# Altium PCB SupBigBrrg_0.PcbDoc (part 29 of 29)
Units mm, origin at the board's own origin, x right, y up, seen from the top; angles counter-clockwise.
Board outline 400 x 344 mm, 6 copper layers (TopLayer, PlaneGnd, PlanePwr, MidLayer3, MidLayer4, BottomLayer); 1288 components, 1323 nets, 5024 pads, 1078 vias.
Unrouted connection lines stored in the file: 1824.
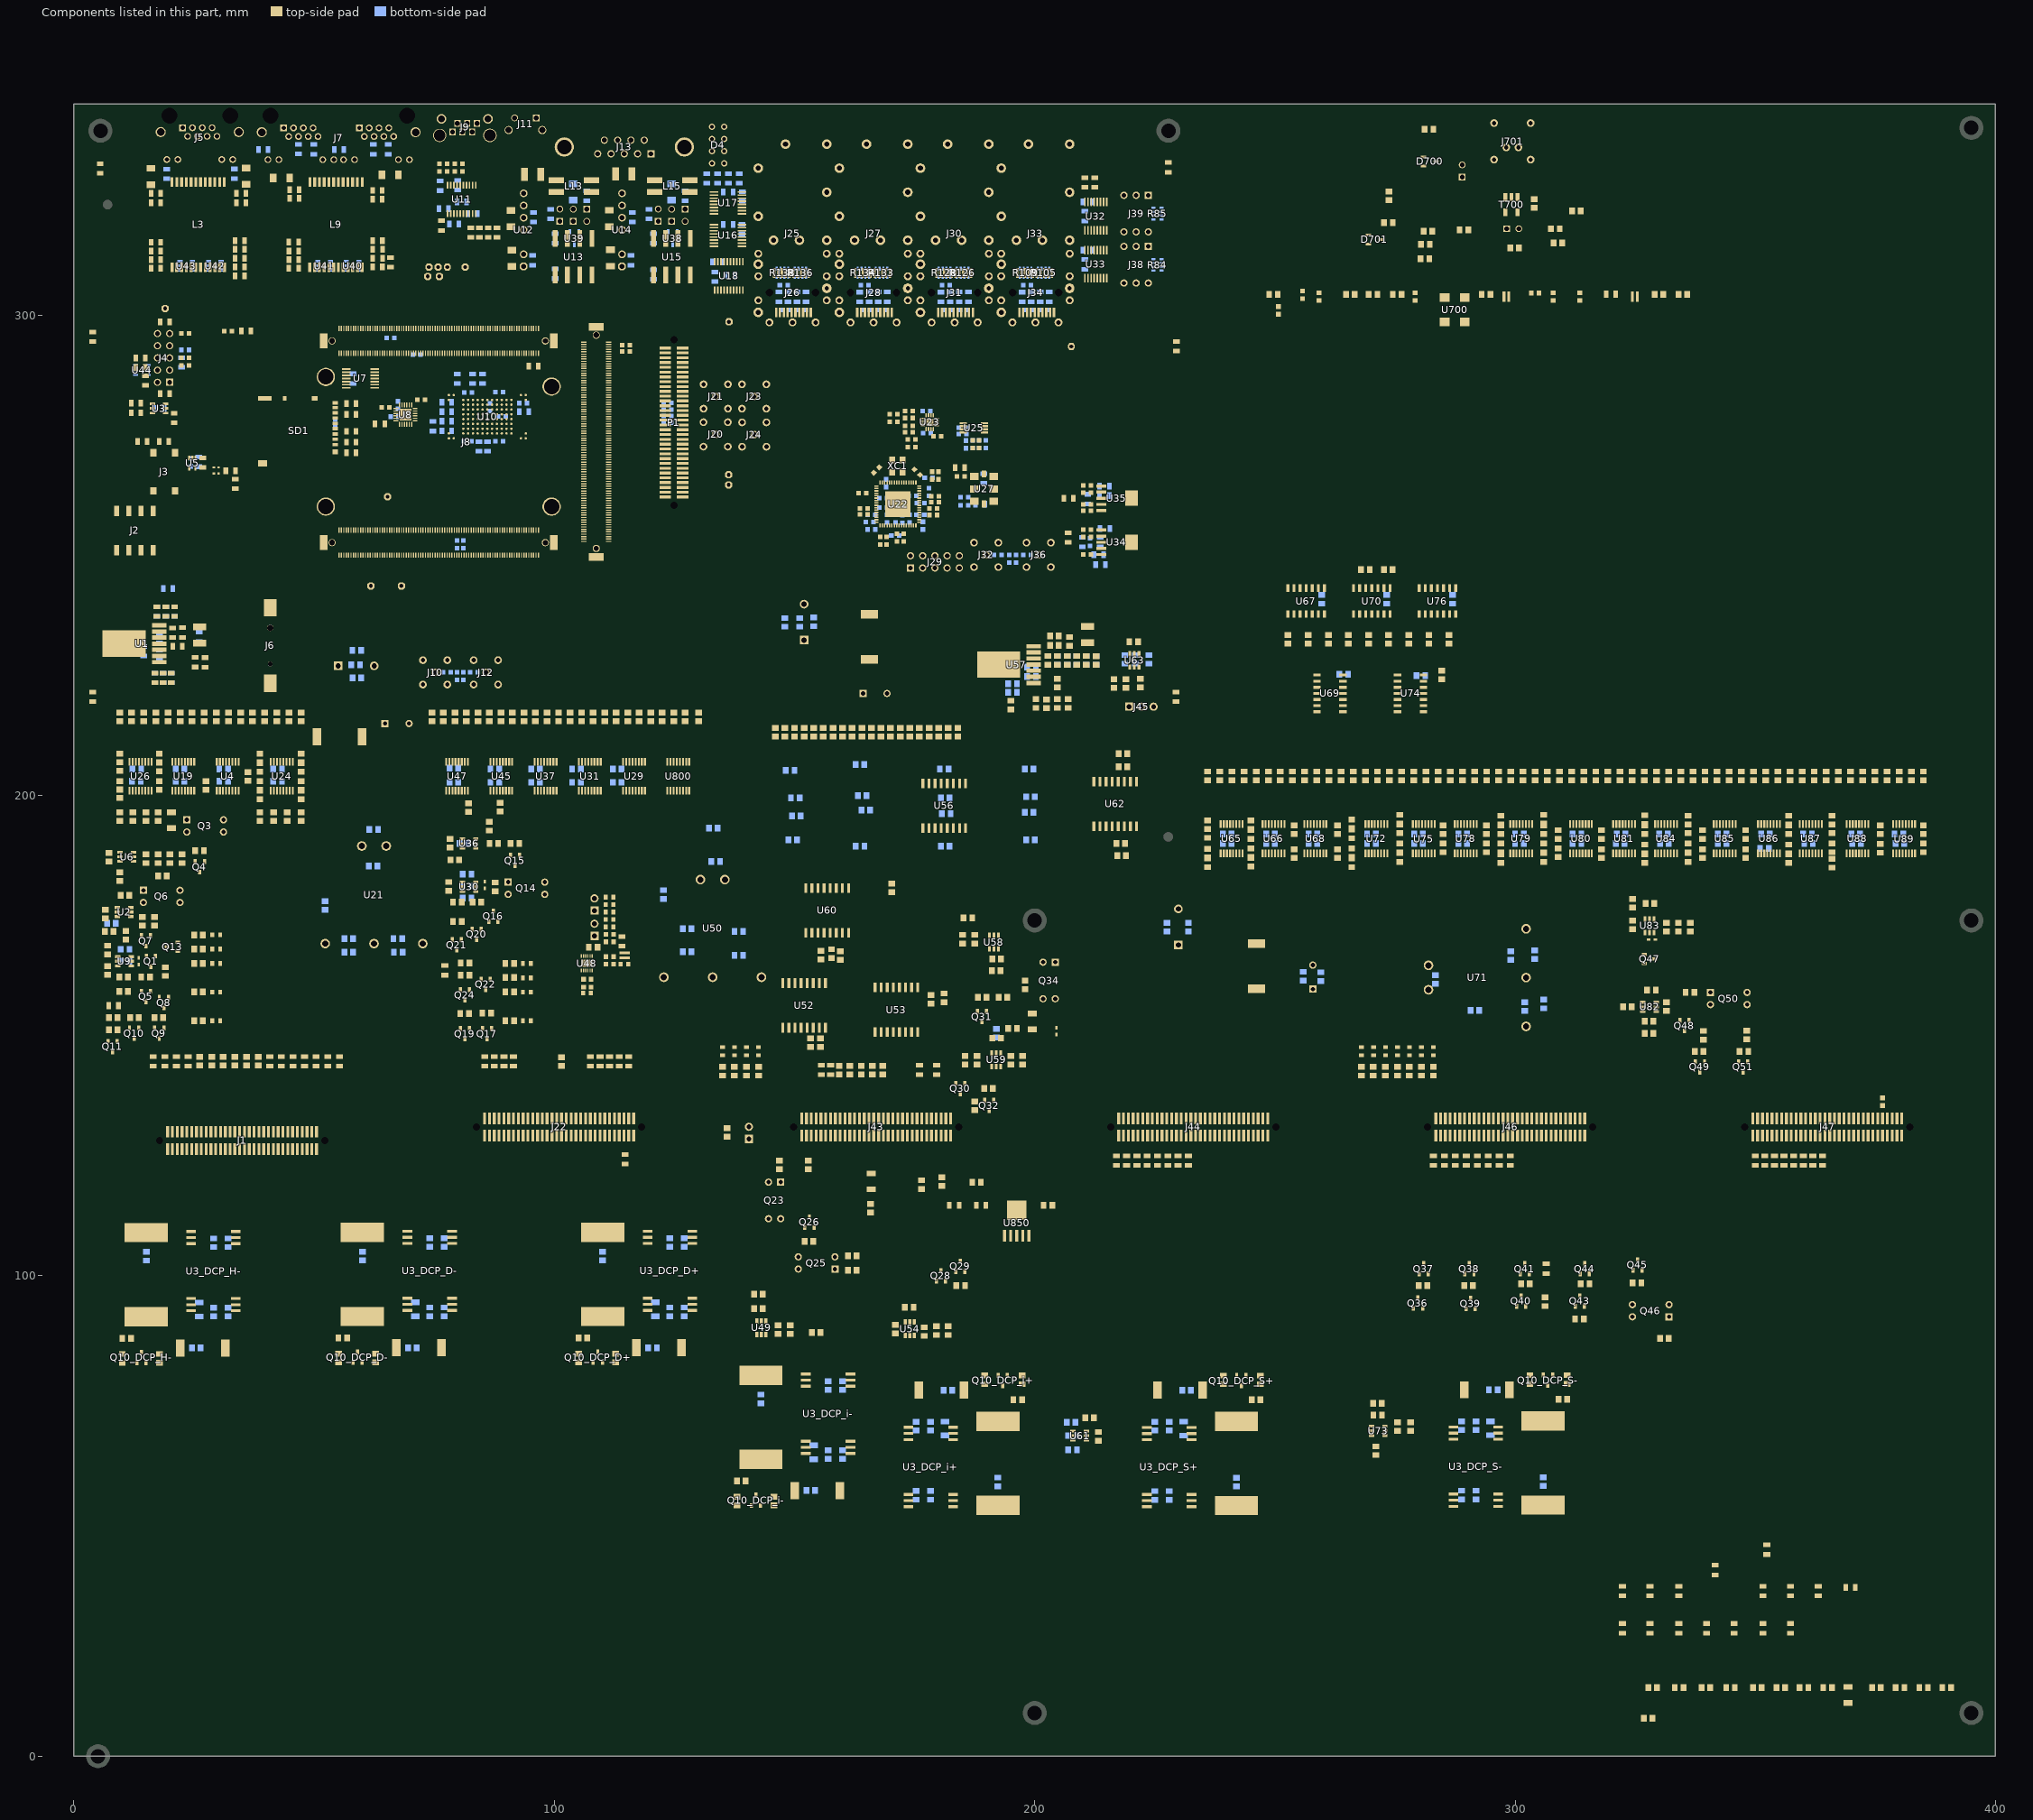
[diagram p33: the components of this part, seen from the top]

## Via types
v1: diameter 0.5, hole 0.2, TopLayer to BottomLayer, tented both sides, 972 vias
v2: diameter 1, hole 0.5, TopLayer to BottomLayer, 104 vias
v3: diameter 0.5, hole 0.2, TopLayer to BottomLayer, 2 vias

## Nets (pads, with @x,y where several pads share a name; then routed paths per layer and width w, separated by ;. In a path a pad name is that pad's centre, name@x,y a point inside that pad or via, vN(x,y) a via of type N, cw(c..) or ccw(c..) an arc to the next point about the centre after c; other vN are vias at no path point) (continued)
pads on no net: J1.65 J1.66 J2.6 J4.7 J4.8 J5.MH1 J5.MH2 J6.0 J7.11A J7.11B J7.12A J7.12B J7.MH1 J7.MH2 J8.0 J8.A102 J8.A114 J8.A115 J8.A116 J8.A118 J8.A122 J8.A127 J8.A128 J8.A129 J8.A131 J8.A133 J8.B8 J8.B167 J8.B168 J8.C8 J13.6 J13.9 J22.65 J22.66 J26.MTG1 J26.MTG2 J28.MTG1 J28.MTG2 J31.MTG1 J31.MTG2 J34.MTG1 J34.MTG2 J43.1 J43.5 J43.9 J43.13 J43.17 J43.21 J43.25 J43.29 J43.33 J43.37 J43.41 J43.45 J43.49 J43.53 J43.57 J43.61 J43.65 J43.66 J44.34 J44.65 J44.66 J46.65 J46.66 J47.65 J47.66 L39.2 L40.2 L85.2 L88.2 L91.2 L92.2 L97.1 L100.1 L101.1 L103.1 L105.2 L107.1 P1.65 P1.66 R182.1 R201.1 R204.2 R206.2 R208.1 R210.2 R244.1 R284.2 R287.2 R290.2 R294.2 R299.2 R407.1 R800.2 R801.1 R802.2 R803.2 R804.1 R805.2 R806.2 R807.1 R808.2 T700.2 U2.3 U3_DCP_D+.14 U3_DCP_D+.15 U3_DCP_D+.16 U3_DCP_D+.17 U3_DCP_D+.26 U3_DCP_D+.27 U3_DCP_D-.14 U3_DCP_D-.15 U3_DCP_D-.16 U3_DCP_D-.17 U3_DCP_D-.26 U3_DCP_D-.27 U3_DCP_H-.14 U3_DCP_H-.15 U3_DCP_H-.16 U3_DCP_H-.17 U3_DCP_H-.26 U3_DCP_H-.27 U3_DCP_i+.14 U3_DCP_i+.15 U3_DCP_i+.16 U3_DCP_i+.17 U3_DCP_i+.26 U3_DCP_i+.27 U3_DCP_i-.14 U3_DCP_i-.15 U3_DCP_i-.16 U3_DCP_i-.17 U3_DCP_i-.26 U3_DCP_i-.27 U3_DCP_S+.14 U3_DCP_S+.15 U3_DCP_S+.16 U3_DCP_S+.17 U3_DCP_S+.26 U3_DCP_S+.27 U3_DCP_S-.14 U3_DCP_S-.15 U3_DCP_S-.16 U3_DCP_S-.17 U3_DCP_S-.26 U3_DCP_S-.27 U5.3 U6.3 U7.8 U7.10 U7.12 U11.11 U11.14 U12.5 U12.7 U14.5 U14.7 U22.5 U23.3 U23.4 U23.5 U23.6 U23.15 U27.1 U27.5 U36.3 U40.5 U41.5 U42.5 U43.5 U49.3 U54.3 U58.3 U61.3 U67.4 U67.5 U67.6 U67.10 U67.11 U67.12 U67.13 U73.3 U76.3 U76.4 U82.3 U700.4
copper on no net:
  other v2: 5,0 65,0 71,0 131,0 137,0 197,0 203,0 263,0 269,0 329,0 335,0 395,0 65,140 131,140 137,140 263,140 269,140 329,140 335,140 395,140

## Polygon pours and split planes (outlines as drawn)
GND on MidLayer3 "GND_MID3" (solid, remove dead copper, pour order 54): 230.225,340.575 9.725,340.575 9.725,331.05 3.125,331.05 3.125,182.725 230.225,182.725
GND on MidLayer4 "GND_MID4" (solid, remove dead copper, pour order 56): 230.225,340.575 9.725,340.575 9.725,331.05 3.125,331.05 3.125,182.725 230.225,182.725
no net on TopLayer "NONET_L01_P062" (solid, remove dead copper, pour order 62): 88,81.2
no net on TopLayer "NONET_L01_P060" (solid, remove dead copper, pour order 60): 88,81.2 89,82.2 115,82.2 115,50.2 88,50.2
GND on TopLayer "GND_TOP" (solid, remove dead copper, pour order 58): 230.225,340.575 9.725,340.575 9.725,331.05 3.125,331.05 3.125,182.7 230.225,182.7
+3.3VD on TopLayer "LMZ_3VD3_TOP" (solid, pour order 48): 23.8,227.75 28.3,227.75 28.3,232.875 23.8,232.875
VD_TMP on TopLayer "VD_TMP" (solid, pour order 30): 15.66,233.86 15.66,238.335 17.293,238.335 28.275,238.335 28.275,233.375 23.8,233.375 23.8,233.86
MGND on TopLayer "TOP_SLD_RIGHT" (solid, remove dead copper, pour order 44): 232.6,341.675 223.35,341.675 223.35,331.05 232.6,331.05
MGND on TopLayer "TOP_SLD_LEFT" (solid, remove dead copper, pour order 38): 0.75,341.675 9.725,341.675 9.725,331.05 0.75,331.05
GND on BottomLayer "GND_BOT" (solid, remove dead copper, pour order 52): 230.225,340.575 9.725,340.575 9.725,331.05 3.125,331.05 3.125,182.725 230.225,182.725
VD_TMP on BottomLayer "VD_TMP_BOT" (solid, pour order 46): 15.675,238.325 27.6,238.325 27.6,233.25 24.425,233.25 24.425,235.4 15.675,235.4
+3.3VD on BottomLayer "LMZ_3VD3_BOT" (solid, pour order 50): 23.8,229.25 28.3,229.25 28.3,232.725 23.8,232.725
MGND on BottomLayer "BOT_SLD_RIGHT" (solid, remove dead copper, pour order 42): 232.575,341.675 222.9,341.675 222.9,331.25 232.575,331.25
MGND on BottomLayer "BOT_SLD_LEFT" (solid, remove dead copper, pour order 40): 0.775,341.675 9.7,341.675 9.7,331.05 0.775,331.05
GND on PlaneGnd (split plane): 399.49,0.51 0.51,0.51 0.51,221.4 2.25,221.4 2.25,330.923 14.198,330.923 14.198,325.3 14.205,325.248 14.225,325.199 14.257,325.157 14.299,325.125 14.348,325.105 14.4,325.098 73.6,325.098 73.652,325.105 73.701,325.125 73.743,325.157 73.775,325.199 73.795,325.248 73.802,325.3 73.802,334.548 88.698,334.548 88.698,331.65 88.698,315.05 88.698,314.275 88.705,314.223 88.725,314.174 88.757,314.132 88.799,314.1 88.848,314.08 88.9,314.073 98.9,314.073 98.9,311.75 108.925,311.75 108.925,314.073 119.375,314.073 119.375,311.75 129.4,311.75 129.4,314.073 130.15,314.073 130.202,314.08 130.251,314.1 130.293,314.132 130.325,314.174 130.345,314.223 130.352,314.275 130.352,331.448 131.175,331.448 131.227,331.455 131.276,331.475 131.318,331.507 131.35,331.549 131.37,331.598 131.377,331.65 131.377,340.373 219.748,340.373 219.748,331.05 219.755,330.998 219.775,330.949 219.807,330.907 219.849,330.875 219.898,330.855 219.95,330.848 231.1,330.848 231.1,221.4 233.6,221.4 233.6,330.848 233.652,330.855 233.701,330.875 233.743,330.907 233.775,330.949 233.795,330.998 233.802,331.05 233.802,333.5 233.795,333.552 233.775,333.601 233.743,333.643 233.701,333.675 233.652,333.695 233.6,333.702 233.548,333.695 233.499,333.675 233.457,333.643 233.425,333.601 233.405,333.552 233.398,333.5 233.398,331.252 220.152,331.252 220.152,340.575 220.145,340.627 220.125,340.676 220.093,340.718 220.051,340.75 220.002,340.77 219.95,340.777 131.175,340.777 131.123,340.77 131.074,340.75 131.032,340.718 131,340.676 130.98,340.627 130.973,340.575 130.973,331.852 130.246,331.852 130.202,331.87 130.15,331.877 130.098,331.87 130.054,331.852 121.4,331.852 121.4,337.5 110.475,337.5 110.475,331.852 89.102,331.852 89.102,334.75 89.095,334.802 89.075,334.851 89.043,334.893 89.001,334.925 88.952,334.945 88.9,334.952 73.6,334.952 73.548,334.945 73.499,334.925 73.457,334.893 73.425,334.851 73.405,334.802 73.398,334.75 73.398,325.502 14.602,325.502 14.602,331.125 14.595,331.177 14.575,331.226 14.543,331.268 14.501,331.3 14.452,331.32 14.4,331.327 0.51,331.327 0.51,343.49 399.49,343.49
GND on PlaneGnd (split plane): 109.348,314.477 108.925,314.477 108.925,315 98.9,315 98.9,314.477 89.102,314.477 89.102,327.2 109.348,327.2
GND on PlaneGnd (split plane): 173.946,268.971 173.946,266.179 173.771,266.004 171.154,266.004 168.855,268.304 168.855,271.521 171.396,271.521
GND on PlaneGnd (split plane): 129.948,314.477 129.4,314.477 129.4,315 119.375,315 119.375,314.477 109.752,314.477 109.752,327.2 129.948,327.2
GND on PlaneGnd (split plane): 178.921,276.929 177.355,276.929 177.355,278.496 178.921,278.496
no net on PlanePwr (split plane): 21.698,224.352 4.05,224.352 3.998,224.345 3.949,224.325 3.907,224.293 3.875,224.251 3.855,224.202 3.848,224.15 3.848,201.9 3.848,194.252 0.51,194.252 0.51,221.4 2.25,221.4 2.25,227.573 21.698,227.573
no net on PlanePwr (split plane): 505 vertices, not listed, extent 0.51,0.51 399.49,343.49
no net on PlanePwr (split plane): 9.75,342.25 0.51,342.25 0.51,343.49 9.75,343.49
no net on PlanePwr (split plane): 259 vertices, not listed, extent 51.802,249.327 111.348,297.098
no net on PlanePwr (split plane): 462 vertices, not listed, extent 45.902,242.227 177.398,299.423
no net on PlanePwr (split plane): 85.323,247.552 71.95,247.552 71.898,247.545 71.849,247.525 71.807,247.493 71.775,247.451 71.755,247.402 71.748,247.35 71.748,242.202 63.877,242.202 63.877,251.348 66.248,251.348 66.248,250.85 66.255,250.798 66.275,250.749 66.307,250.707 66.349,250.675 66.398,250.655 66.45,250.648 68.875,250.648 68.927,250.655 68.976,250.675 69.018,250.707 69.05,250.749 69.07,250.798 69.077,250.85 69.077,251.348 71.223,251.348 71.223,250.85 71.23,250.798 71.25,250.749 71.282,250.707 71.324,250.675 71.373,250.655 71.425,250.648 73.973,250.648 73.973,250.1 73.98,250.048 74,249.999 74.032,249.957 74.074,249.925 74.123,249.905 74.175,249.898 76.675,249.898 76.727,249.905 76.776,249.925 76.818,249.957 76.85,249.999 76.87,250.048 76.877,250.1 76.877,251.523 79.373,251.523 79.373,248.4 79.38,248.348 79.4,248.299 79.432,248.257 79.474,248.225 79.523,248.205 79.575,248.198 82.6,248.198 82.652,248.205 82.701,248.225 82.743,248.257 82.775,248.299 82.795,248.348 82.802,248.4 82.802,251.673 85.323,251.673
no net on PlanePwr (split plane): 178.523,256.525 178.53,256.473 178.55,256.424 178.582,256.382 178.624,256.35 178.673,256.33 178.725,256.323 211.398,256.323 211.398,254.725 211.398,252.927 208.802,252.927 208.802,253.95 208.795,254.002 208.775,254.051 208.743,254.093 208.701,254.125 208.652,254.145 208.6,254.152 180.3,254.152 180.248,254.145 180.199,254.125 180.157,254.093 180.125,254.051 180.105,254.002 180.098,253.95 180.098,252.352 162.302,252.352 162.302,260.223 166.923,260.223 166.923,256.302 166.4,256.302 166.348,256.295 166.299,256.275 166.257,256.243 166.225,256.201 166.205,256.152 166.198,256.1 166.198,254.6 166.205,254.548 166.225,254.499 166.257,254.457 166.299,254.425 166.348,254.405 166.4,254.398 169.05,254.398 169.102,254.405 169.151,254.425 169.193,254.457 169.225,254.499 169.245,254.548 169.252,254.6 169.252,255.548 173.6,255.548 173.652,255.555 173.701,255.575 173.743,255.607 173.775,255.649 173.795,255.698 173.802,255.75 173.802,257.523 175.298,257.523 175.298,255.8 175.305,255.748 175.325,255.699 175.357,255.657 175.399,255.625 175.448,255.605 175.5,255.598 177.6,255.598 177.652,255.605 177.701,255.625 177.743,255.657 177.775,255.699 177.795,255.748 177.802,255.8 177.802,258.1 177.795,258.152 177.775,258.201 177.743,258.243 177.701,258.275 177.652,258.295 177.6,258.302 177.51,258.302 177.51,261.675 177.504,261.727 177.483,261.776 177.451,261.818 177.41,261.85 177.361,261.87 177.309,261.877 173.852,261.877 173.852,262.925 173.852,264.023 178.523,264.023
no net on PlanePwr (split plane): 109.298,315.277 89.102,315.277 89.102,327.198 109.298,327.198
no net on PlanePwr (split plane): 180.623,259.625 180.63,259.573 180.65,259.524 180.682,259.482 180.724,259.45 180.773,259.43 180.825,259.423 201.125,259.423 201.177,259.43 201.226,259.45 201.268,259.482 201.3,259.524 201.32,259.573 201.327,259.625 201.327,263.598 206.898,263.598 206.898,256.727 178.927,256.727 178.927,264.225 178.92,264.277 178.9,264.326 178.868,264.368 178.826,264.4 178.777,264.42 178.725,264.427 173.65,264.427 173.598,264.42 173.549,264.4 173.507,264.368 173.475,264.326 173.455,264.277 173.448,264.225 173.448,263.127 167.277,263.127 167.277,265.898 180.623,265.898
no net on PlanePwr (split plane): 129.973,315.277 109.702,315.277 109.702,327.198 129.973,327.198

## Other copper
TopLayer:
  region net ChasisGND_T: 232.6,222.25 231.1,222.25 231.1,183.95 232.6,183.95
  region net StripGND_T: 232.6,297.25 231.1,297.25 231.1,242.25 232.6,242.25
  region net MGND: 232.6,333.95 231.1,333.95 231.1,302.25 232.6,302.25
  rectangle net MGND: 0.75,302.25 2.25,332.375
  rectangle net StripGND: 0.75,242.25 2.25,297.25
  rectangle net ChasisGND: 0.75,183.95 2.25,222.25
  region net +5VME: 20.635,226.46 20.635,226.96 16.21,226.96 16.21,226.46
  pour cut-out: 46.756,313.682 62.151,313.685 62.151,311.939 62.205,311.885 62.205,311.178 46.751,311.178
  pour cut-out: 18.061,313.682 33.456,313.685 33.456,311.939 33.51,311.885 33.51,311.178 18.056,311.178
  pour cut-out: 167.51,256.66 167.51,264.71 175.56,264.71 175.56,256.66
  pour cut-out: 15.52,310.485 18.59,310.485 18.59,308.735 15.52,308.735
  pour cut-out: 32.97,310.71 36.04,310.71 36.04,308.31 32.97,308.31
  pour cut-out: 44.24,312.285 47.31,312.285 47.31,309.9 44.24,309.9
  pour cut-out: 61.735,312.61 65.76,312.61 65.76,310.21 61.735,310.21
  pour cut-out: 77.61,327.785 83.81,327.785 83.81,320.435 77.61,320.435
  pour cut-out: 3.125,330.625 3.125,331.05 14.426,331.05 14.426,330.625
  pour cut-out: 219.851,330.625 219.851,331.05 231.101,331.05 231.101,330.625
  pour cut-out: 95.06,284.385 92.399,284.385 92.399,283.375 92.438,283.375 92.438,283.036 93.699,281.775 95.06,281.775
  pour cut-out: 95.06,273.365 92.399,273.365 92.399,274.375 92.438,274.375 92.438,274.714 93.699,275.975 95.06,275.975
  pour cut-out: 77.04,284.385 79.701,284.385 79.701,283.375 79.662,283.375 79.662,283.036 78.401,281.775 77.04,281.775
  pour cut-out: 77.04,273.365 79.701,273.365 79.701,274.375 79.662,274.375 79.662,274.714 78.401,275.975 77.04,275.975
  pour cut-out: 80.051,283.393 80.051,274.365 92.06,274.365 92.06,283.383
  pour cut-out: 54.801,282.425 55.676,282.425 55.876,282.625 56.301,282.625 56.301,270.675 54.801,270.675
  pour cut-out: 87.219,249.724
  pour cut-out: 203.013,299.525 204.263,299.525 204.263,293.949 192.514,282.2 164.751,282.2 162.625,280.074 162.625,264.525 129.35,231.25 86.23,231.25 80.3,237.18 80.3,249.724 94.138,249.724 94.138,248.589 94.726,248 121.678,248 145.875,272.197 145.875,299.647 146.015,299.787 153.638,299.787 153.638,296.2 150.775,293.337 150.775,286.8 158.725,294.75 161.999,294.75 162.788,295.539 162.788,300 170.538,300 170.538,293.511 167.813,290.786 176.074,290.786 179.638,294.35 179.638,299.8 187.388,299.8 187.388,293.474 181.514,287.6 181.514,286.85 188.8,286.85 196.538,294.587 196.538,299.538
  pour cut-out: 129.501,315.075 129.501,311.4 119.8,311.4 119.8,315.075
  pour cut-out: 108.75,315.075 108.75,311.4 99.325,311.4 99.325,315.075
  pour cut-out: 9.726,330.625 14.4,330.625 14.4,316.2 73.625,316.2 73.625,334.725 88.95,334.725 88.95,315.075 130.276,315.075 130.276,331.675 131.175,331.675 131.175,340.575 219.85,340.575 219.85,330.625 223.35,330.625 223.35,344.25 9.7,344.25
  pour cut-out: 3.125,331.05 -0.25,331.05 -0.25,181.75 3.125,181.75
  pour cut-out: 230.225,331.05 233.6,331.05 233.6,181.75 230.225,181.75
  pour cut-out: -0.25,331.175
MidLayer3:
  pour cut-out: 18.556,316.578 33.056,316.578 33.056,312.978 18.556,312.978
  pour cut-out: 47.251,316.578 61.751,316.578 61.751,312.978 47.251,312.978
  pour cut-out: 129.225,315.075 129.225,311.4 119.8,311.4 119.8,315.075
  pour cut-out: 108.75,315.075 108.75,311.4 99.325,311.4 99.325,315.075
  pour cut-out: 9.725,331.05 14.4,331.05 14.4,316.2 73.625,316.2 73.625,334.725 88.95,334.725 88.95,315.075 130.025,315.075 130.025,331.675 131.175,331.675 131.175,340.575 219.85,340.575 219.85,331.225 233.6,331.225 233.6,344.25 9.7,344.25
  pour cut-out: 168.6,271.775 171.5,271.775 174.2,269.075 174.2,265.75 170.9,265.75 168.6,268.05
MidLayer4:
  pour cut-out: 47.251,316.578 61.751,316.578 61.751,312.978 47.251,312.978
  pour cut-out: 18.556,316.578 33.056,316.578 33.056,312.978 18.556,312.978
  pour cut-out: 129.225,315.075 129.225,311.4 119.8,311.4 119.8,315.075
  pour cut-out: 108.75,315.075 108.75,311.4 99.325,311.4 99.325,315.075
  pour cut-out: 9.725,331.05 14.4,331.05 14.4,316.2 73.625,316.2 73.625,334.725 88.95,334.725 88.95,315.075 130.025,315.075 130.025,331.675 131.175,331.675 131.175,340.575 219.85,340.575 219.85,331.225 233.6,331.225 233.6,344.25 9.7,344.25
  pour cut-out: 168.6,271.775 171.5,271.775 174.2,269.075 174.2,265.75 170.9,265.75 168.6,268.05
BottomLayer:
  region net MGND: 232.6,334.1 231.1,334.1 231.1,302.25 232.6,302.25
  region net StripGND_T: 232.6,297.25 231.1,297.25 231.1,242.25 232.6,242.25
  region net ChasisGND_T: 232.6,222.25 231.1,222.25 231.1,183.95 232.6,183.95
  rectangle net ChasisGND: 0.75,183.95 2.25,222.25
  rectangle net StripGND: 0.75,242.25 2.25,297.25
  rectangle net MGND: 0.75,302.25 2.25,332.45
  pour cut-out: 47.251,316.578 61.751,316.578 61.751,312.978 47.251,312.978
  pour cut-out: 18.556,316.578 33.056,316.578 33.056,312.978 18.556,312.978
  pour cut-out: 196.335,310.145 196.335,311.105 203.635,311.105 203.635,310.12
  pour cut-out: 179.46,310.145 179.46,311.105 186.76,311.105 186.76,310.12
  pour cut-out: 162.585,310.145 162.585,311.105 169.885,311.105 169.885,310.12
  pour cut-out: 145.71,310.145 145.71,311.105 153.01,311.105 153.01,310.12
  pour cut-out: 130.7,330.325 130.7,326.67 135.335,326.67 135.335,324.72 136.635,324.72 136.635,326.495 139.55,326.495 139.55,330.32 133.585,330.32 133.585,331.345 132.183,331.345 132.183,330.325
  pour cut-out: 169.735,255.995 176.26,255.995 176.26,258.295 169.735,258.295
  pour cut-out: 169.71,258.32
  pour cut-out: 108.75,315.075 108.75,311.4 99.325,311.4 99.325,315.075
  pour cut-out: 129.225,315.075 129.225,311.4 119.8,311.4 119.8,315.075
  pour cut-out: 80.55,282.875 85.55,282.875 85.55,280.599 84.983,280.032 84.983,275.125 80.55,275.125
  pour cut-out: 9.726,330.675 14.4,330.675 14.4,316.2 73.625,316.2 73.625,334.725 88.95,334.725 88.95,315.075 130.025,315.075 130.025,331.675 130.785,331.675 130.785,340.575 219.85,340.575 219.85,330.85 223.35,330.85 223.35,344.25 9.7,344.25
  pour cut-out: 3.125,331.05 -0.25,331.05 -0.25,181.75 3.125,181.75
  pour cut-out: 168.6,271.775 171.5,271.775 174.2,269.075 174.2,265.75 170.9,265.75 168.6,268.05
PlaneGnd (plane layer: these items are gaps in the copper):
  rectangle: 119.375,311.75 129.4,315
  rectangle: 98.9,311.75 108.925,315
  region: 2.25,331.05 -0.25,331.05 -0.25,221.4 2.25,221.4
  rectangle: 231.1,221.4 233.6,331.05
  rectangle: 88.9,327.2 130.15,331.65
  rectangle: 110.475,328.925 121.4,337.5
  lines w0.254: 168.725,268.25 171.1,265.875 173.825,265.875 174.075,266.125 174.075,269.025 171.45,271.65 168.725,271.65 168.725,268.25 ; 177.225,276.8 177.225,278.625 177.475,278.625 179.05,278.625 179.05,276.8 177.225,276.8
  lines w0.4: -0.25,332.875 -0.25,331.125 14.4,331.125 14.4,325.3 73.6,325.3 73.6,334.75 88.9,334.75 88.9,314.275 130.15,314.275 130.15,331.675 ; 88.9,315.05 88.9,331.65 131.175,331.65 131.175,340.575 219.95,340.575 219.95,331.05 233.6,331.05 233.6,333.5 ; 109.55,314.275 109.55,331.65
PlanePwr (plane layer: these items are gaps in the copper):
  rectangle: 119.375,311.775 129.4,315
  rectangle: 98.9,311.775 108.925,315
  rectangle: 220.075,331.025 233.35,342.25
  rectangle: 128.675,340.55 223.325,344.225
  rectangle: 0,331.05 15.1,342.25
  rectangle: 14.4,316.125 73.65,342.05
  rectangle: 9.75,334.3 89.525,344.225
  rectangle: 88.9,327.4 130.325,343.825
  region: 2.25,331.225 -0.25,331.225 -0.25,221.4 2.25,221.4
  rectangle: 231.1,221.4 233.6,331.225
  pour cut-out: 168.725,271.675 171.45,271.675 174.05,269.075 174.05,266.1 170.75,266.1 168.725,268.125
  lines w0.4: -0.25,227.775 21.9,227.775 21.9,224.15 4.05,224.15 4.05,201.9 4.05,193.975 ; 63.675,244.675 63.675,242.025 55.3,242.025 45.7,251.625 45.7,293.025 50.95,298.275 75.825,298.275 76.175,297.925 76.175,296.45 77.65,294.975 77.65,292.725 78.25,292.125 79.4,292.125 80.175,292.9 80.175,293.025 79.175,294.025 79.175,298.625 82.175,298.625 85.425,298.625 85.425,296.2 86.225,295.4 86.225,294.4 86.725,293.9 86.725,292.6 86.175,292.05 ; 74.175,289.45 74.175,293.425 76.3,293.425 76.3,291.925 76.3,287.225 83.175,287.225 83.175,293.675 85,293.675 85.5,293.175 85.5,292.725 86.175,292.05 ; 74.175,289.95 74.175,287.188 63.9,287.188 57.938,287.188 51.6,280.85 51.6,273.55 56.675,268.475 56.675,250.85 57.675,250.85 57.675,249.125 60.675,249.125 60.675,252.35 59.675,252.35 59.675,256.425 62.675,256.425 62.675,254.4 62.675,253.375 70.675,253.375 70.675,255.2 71.675,255.2 71.675,259.65 76.175,259.65 76.175,255.35 75.675,255.35 75.675,253.55 75.675,253.175 77.7,253.175 78.65,254.125 78.65,255.1 77.825,255.925 77.825,256.875 78.175,257.225 81.375,257.225 83.078,255.522 84.675,255.522 84.675,268.175 95.875,268.175 103.1,275.4 107.925,275.4 107.925,277.45 111.55,277.45 111.55,279.425 103.025,279.425 103.025,285.4 103.575,285.4 107.975,285.4 107.975,287.5 111.35,287.5 111.35,289.175 102.45,289.175 101.825,288.55 92.175,288.55 92.175,293.9 91.175,293.9 91.175,296.475 90.35,297.3 89.05,297.3 88.925,297.175 88.925,294.625 89.75,294.625 89.75,291.95 89.175,291.95 ; 85.525,248.45 113,248.45 124.975,260.425 167.125,260.425 167.125,256.1 166.4,256.1 166.4,254.6 169.05,254.6 169.05,255.75 173.6,255.75 173.6,257.725 175.5,257.725 175.5,255.8 177.6,255.8 177.6,258.1 177.309,258.1 177.309,261.675 174.6,261.675 173.65,261.675 173.65,262.925 ; 86.175,291.25 86.175,292.05 ; 88.925,296.45 88.275,296.45 87.175,297.55 87.175,299.625 93.675,299.625 ; 89.175,291.25 89.175,291.95 ; 109.55,327.4 88.9,327.4 88.9,315.075 109.5,315.075 ; 121.425,298.475 121.425,277.075 135.575,262.925 138.7,262.925 173.65,262.925 ; 162.1,260.425 162.1,252.15 180.3,252.15 180.3,253.95 208.6,253.95 208.6,252.725 211.6,252.725 211.6,254.725 211.6,256.525 ; 167.075,262.925 167.075,266.1 180.825,266.1 180.825,259.625 201.125,259.625 201.125,263.671 ; 201.125,263.8 207.1,263.8 207.1,256.525 211.6,256.525 ; 220,196.475 221.575,196.475 221.575,194.775 222.425,193.925 224.775,193.925 224.775,197.5 230.225,197.5 230.225,216.2 228.5,216.2 228.5,298.5 98.125,298.5 98.125,290.475 93.675,290.475 93.675,307.85 91.1,307.85 91.1,312.6 96.175,312.6 ; 233.575,306.125 233.05,305.6 117.275,305.6 117.275,312.65 111.15,312.65 111.15,305.875 110.775,305.875 96.2,305.875 96.2,312.6 ; 86.175,292.05 86.175,283.875 75.85,283.875 75.85,283.525 60.25,283.525 54.125,277.4 54.125,275.725 55.975,273.875 77.55,273.875 94.55,273.875 94.55,283.875 89.175,283.875 89.175,291.95 ; 96.175,312.6 96.2,312.6 ; 96.175,312.6 96.2,312.6 ; 109.5,315.075 109.5,327.4 130.175,327.4 130.175,315.075 109.5,315.075 ; 173.65,262.925 173.65,264.225 178.725,264.225 178.725,256.525 211.6,256.525 ; 63.675,242 63.675,251.55 66.45,251.55 66.45,250.85 68.875,250.85 68.875,251.55 71.425,251.55 71.425,250.85 74.175,250.85 74.175,250.1 76.675,250.1 76.675,251.725 79.575,251.725 79.575,248.4 82.6,248.4 82.6,251.875 85.525,251.875 85.525,247.35 71.95,247.35 71.95,242 63.675,242
  lines w0.5: 0,194 4,194

## Silkscreen, mask and mechanical layers (free items; w line width, h text height)
TopOverlay:
  lines w0.15: 29.025,269.175 30.05,269.175 ; 29.05,266.1 30.075,266.1 ; 29.338,268.762 29.75,269.175 29.338,269.587 29.338,268.8 ; 29.363,265.687 29.775,266.1 29.363,266.512 29.363,265.725 ; 29.75,268.8 29.75,269.575 ; 29.775,265.725 29.775,266.5
  text "GPIO64" at 73.35,316.65 h1 r270
  text "GPIO52" at 75.325,316.65 h1 r270
  text "GPIO51" at 77.175,316.625 h1 r270
  text "GND" at 82.725,311.4 h1 r270
  text "GND" at 20.275,302.8 h1 r270
  text "GND" at 137.65,300.025 h1 r270
  text "PWR Fail" at 29.35,299.775 h1 r270
  text "GND" at 208.925,294.875 h1 r270
  text "REF IN" at 207.425,279.625 h1 r270
  text "QBRP" at 137.925,266.325 h1
  text "QBRN" at 137.925,264.225 h1
  text "+3.3V" at 61.85,259.475 h1
  text "PLL OUT N" at 194.375,245.25 h1 r180
  text "PLL OUT P" at 205.3,245.25 h1 r180
  text "COIN BAT CR1220" at 49.425,241.025 h1.2 r270
  text "+2.5V" at 58.375,240.925 h1
  text "+1.8V" at 66.725,240.925 h1
  text "XCVR TX P" at 70.5,227.5 h1 r180
  text "XCVR TX N" at 81.425,227.5 h1 r180
BottomOverlay:
  lines w0.15: 132.675,326.625 133.025,327.525 ; 134.075,326.15 135.175,327 ; 133.025,327.525 132.8,327.175 133.025,327.15 133.025,327.525 ; 135.175,327 134.85,326.9 135.05,326.725 135.175,327
  text "conf done" at 144.225,338.85 h0.85
  text "fpgaLed2" at 143.35,336.9 h0.85
  text "gnd" at 131.225,336.875 h0.85 r90
  text "gpio57" at 141.7,334.725 h0.85
  text "fpgaLed1" at 142.9,332.725 h0.85
TopSolder:
  rectangle: 0.7,302.2 2.3,341.75
  rectangle: 0.7,242.2 2.3,297.3
  rectangle: 0.7,183.9 2.3,222.3
  rectangle: 231.05,302.2 232.65,341.75
  rectangle: 231.05,242.2 232.65,297.3
  rectangle: 231.05,183.9 232.65,222.3
BottomSolder:
  rectangle: 0.7,183.9 2.3,222.3
  rectangle: 0.7,242.2 2.3,297.3
  rectangle: 0.7,302.2 2.3,341.75
  rectangle: 231.05,302.2 232.65,341.75
  rectangle: 231.05,242.2 232.65,297.3
  rectangle: 231.05,183.9 232.65,222.3
Mechanical1:
  rectangle: 55.025,253.65 96.825,254.7
  rectangle: 55.025,250.6 96.825,251.65
  region: 109.725,294.55 109.725,252.75 110.775,252.75 110.775,294.55
  region: 106.675,294.55 106.675,252.75 107.725,252.75 107.725,294.55
  rectangle: 55.025,292.6 96.825,293.65
  rectangle: 55.025,295.65 96.825,296.7
  lines w0.25: 2.575,181.775 2.575,342.275 ; 230.85,181.825 230.85,342.35
Mechanical2:
  lines w0.15: -11.25,344.5 244.6,344.5
  lines w0.25: -11.25,344.5 -11.25,347 ; 244.6,344.5 244.6,347
  lines w0.254: -11.25,347 244.6,347
  lines w0.5: 17.65,338.8 17.65,354.7 ; 119.81,348.7 119.81,246.81 241.725,246.81
Mechanical3:
  the board outline again, w0.5
Mechanical4:
  lines w0.25: 0,182 233.35,182 233.35,342 223.1,342 223.1,344 9.95,344 9.95,342 0,342 0,182
Mechanical12:
  lines w0.4: 5,0 65,0 ; 5,140 65,140 ; 131,0 71,0 71,140 131,140 ; 135,0 197,0 197,140 135,140 ; 137,0 137,140 ; 203,0 263,0 ; 203,140 263,140 ; 267,0 329,0 ; 267,140 329,140 ; 269,0 269,140 ; 333,0 395,0 ; 333,140 395,140 ; 335,0 335,140
  lines w0.406: 2.5,4 434.5,4 ; 5,0 5,140 ; 65,0 65,140 ; 131,0 131,140 ; 203,0 203,140 ; 263,0 263,140 ; 329,0 329,140 ; 395,0 395,140
Mechanical 18:
  circle w0.5: c75.975,256.95 r2.809
  circle w0.5: c35.5,14 r4.018
  circle w0.5: c28,24.5 r4.018
  circle w0.5: c36.5,24.5 r2.773
  lines w0.5: 1,50 400,50 ; 4.5,214.8 230.2,214.8 ; 5,-5 5,345

## Text inside footprints (layer, text, board x,y; h text height)
J2: Top Assembly "ON" at 8.02,256.35 h1; Top Assembly "1" at 8.17,253.075 h1
J8: Mechanical1 "Connectro B" at 94.925,252.05 h1.52 r180; Mechanical1 "Connectro C" at 109.325,292.65 h1.52 r270; Mechanical1 "Connectro A" at 94.925,294.05 h1.52 r180
J38: TopOverlay "0" at 223.325,310.91 h1.2 r270; Bottom Mechanical13/Mechanical14 "0" at 223.325,310.91 h1.2 r270
J39: TopOverlay "0" at 223.325,321.56 h1.2 r270; Bottom Mechanical13/Mechanical14 "0" at 223.325,321.56 h1.2 r270
J701: TopOverlay "3" at 297.815,331.945 h0.97 r90; TopOverlay "2" at 298.653,336.106 h0.97 r90; TopOverlay "1" at 301.19,336.195 h0.97 r90; Bottom Mechanical13/Mechanical14 "3" at 297.815,331.945 h0.97 r90; Bottom Mechanical13/Mechanical14 "2" at 298.653,336.106 h0.97 r90; Bottom Mechanical13/Mechanical14 "1" at 301.19,336.195 h0.97 r90
U21: TopOverlay "COM" at 61.945,167.63 h1.2 r270; TopOverlay "+IN" at 59.36,193.89 h1.2 r270; TopOverlay "+OUT" at 51.785,167.63 h1.2 r270; TopOverlay "-OUT" at 72.105,167.63 h1.2 r270; TopOverlay "-IN" at 64.36,193.89 h1.2 r270; Bottom Mechanical13/Mechanical14 "COM" at 61.945,167.63 h1.2 r270; Bottom Mechanical13/Mechanical14 "-IN" at 64.36,193.89 h1.2 r270; Bottom Mechanical13/Mechanical14 "+IN" at 59.36,193.89 h1.2 r270; Bottom Mechanical13/Mechanical14 "-OUT" at 72.105,167.63 h1.2 r270; Bottom Mechanical13/Mechanical14 "+OUT" at 51.785,167.63 h1.2 r270
U50: TopOverlay "COM" at 132.445,160.63 h1.2 r270; TopOverlay "+IN" at 129.86,186.89 h1.2 r270; TopOverlay "+OUT" at 122.285,160.63 h1.2 r270; TopOverlay "-OUT" at 142.605,160.63 h1.2 r270; TopOverlay "-IN" at 134.86,186.89 h1.2 r270; Bottom Mechanical13/Mechanical14 "COM" at 132.445,160.63 h1.2 r270; Bottom Mechanical13/Mechanical14 "-IN" at 134.86,186.89 h1.2 r270; Bottom Mechanical13/Mechanical14 "+IN" at 129.86,186.89 h1.2 r270; Bottom Mechanical13/Mechanical14 "-OUT" at 142.605,160.63 h1.2 r270; Bottom Mechanical13/Mechanical14 "+OUT" at 122.285,160.63 h1.2 r270
U71: TopOverlay "COM" at 303.85,161.585 h1.2; TopOverlay "+IN" at 277.59,159 h1.2; TopOverlay "+OUT" at 303.85,151.425 h1.2; TopOverlay "-OUT" at 303.85,171.745 h1.2; TopOverlay "-IN" at 277.59,164 h1.2; Bottom Mechanical13/Mechanical14 "COM" at 303.85,161.585 h1.2; Bottom Mechanical13/Mechanical14 "-IN" at 277.59,164 h1.2; Bottom Mechanical13/Mechanical14 "+IN" at 277.59,159 h1.2; Bottom Mechanical13/Mechanical14 "-OUT" at 303.85,171.745 h1.2; Bottom Mechanical13/Mechanical14 "+OUT" at 303.85,151.425 h1.2